# Altium PCB 探测器.PcbDoc (part 3 of 4) (continued)
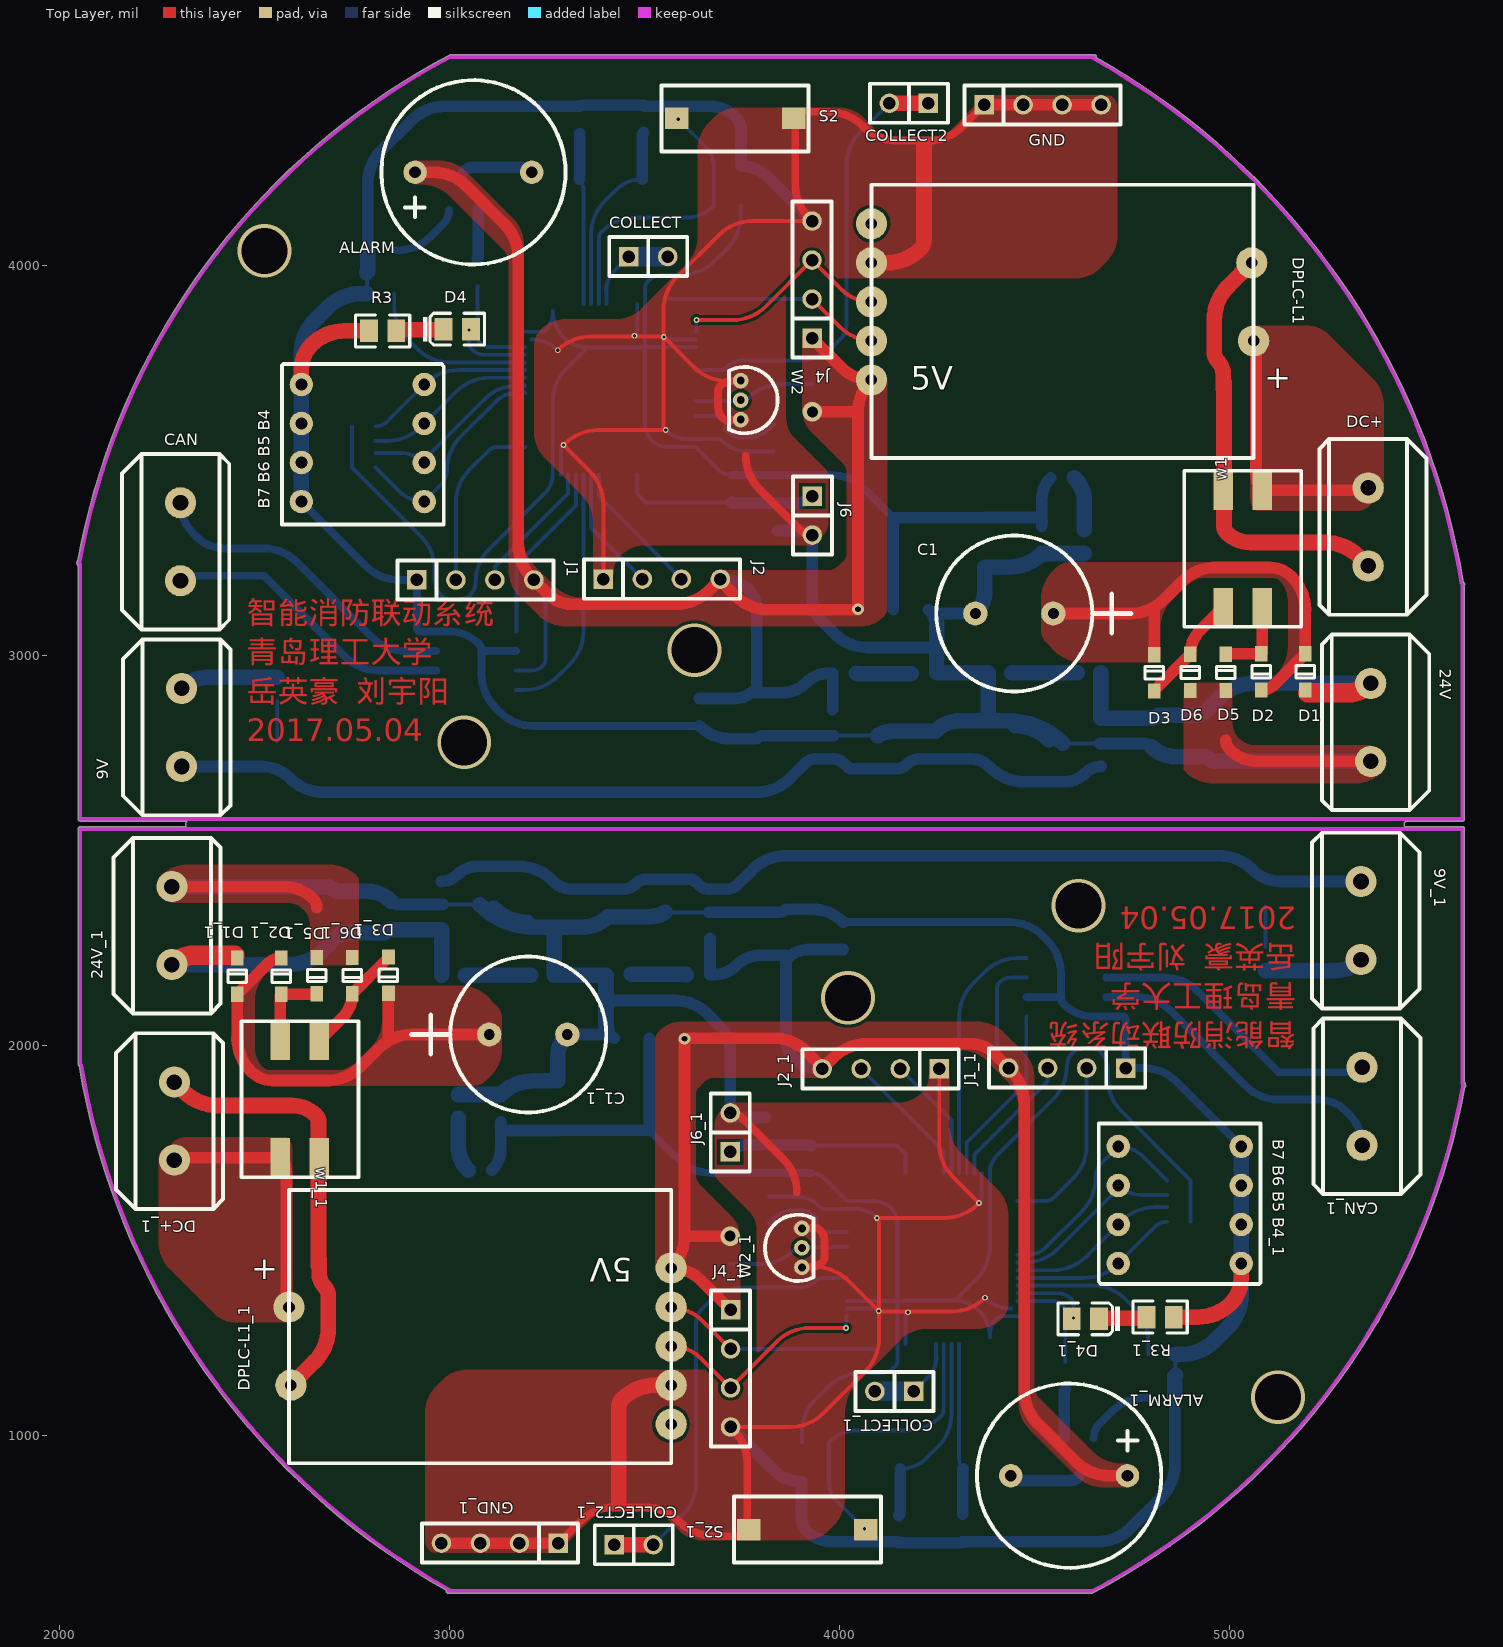
[diagram p0: Top Layer view]
## Nets (pads, with @x,y where several pads share a name; then routed paths per layer and width w, separated by ;. In a path a pad name is that pad's centre, name@x,y a point inside that pad or via, vN(x,y) a via of type N, cw(c..) or ccw(c..) an arc to the next point about the centre after c; other vN are vias at no path point) (continued)
  Bottom Layer w30: 2979.48,2421.06 ccw(c2979.48,2476.72) 3018.84,2437.36 ; 2983.42,2362 2871.3,2362 ; 3131.48,1804.96 3131.48,1793.41 ; 3302.05,2029 3399.12,2029 ; 3411.48,2116 3577.48,2116 ; 3512.48,2019.55 3512.48,1783.33 3278.41,1783.33 ; 3664.54,2342 3842.95,2342 ; 3720.48,1023 3832.52,910.96 ; 3808.85,1816.04 3748.72,1816.04 ; 3832.54,910.94 ccw(c3902.44,980.89) 3851.72,896 ; 3862.48,2226 3862.48,2017.28 ; 3862.48,2231.98 3796.78,2231.98 ; 3955.48,1941 3950.08,1941 ; 4009.48,2246.96 3920.08,2246.96 ; 4155.77,915.62 4155.77,805.7 ; 4315.77,799.04 4315.77,912.21 ; 4576.08,994.2 4576.08,1113.16 ; 4859.52,1098 4859.52,927.04 ; 5336.48,2421 5215.16,2421 5132.13,2421 ; 2871.3,2362 cw(c2871.3,2392.86) 2849.48,2371.04 ccw(c2871.3,2392.86) 2871.3,2362 ; 3018.84,2437.36 cw(c3073.5,2382.7) 3073.5,2460 ; 3018.84,2437.36 cw(c3073.5,2382.7) 3073.5,2460 ; 3073.5,2460 3177.54,2460 ; 3130.48,1791 ccw(c3149.93,1810.45) 3131.48,1790.05 ; 3130.48,1791 ccw(c3128.07,1793.41) 3131.48,1793.41 ; 3130.48,1791 ccw(c3149.93,1810.45) 3131.48,1790.05 ; 3130.48,1791 ccw(c3128.07,1793.41) 3131.48,1793.41 ; 3131.48,1735.76 cw(c3054.03,1735.76) 3108.8,1681 ccw(c3054.03,1735.76) 3131.48,1735.76 ; 3131.48,1735.76 3131.48,1790.05 ; 3131.48,1790.05 ccw(c3149.93,1810.45) 3149.93,1782.94 ; 3131.48,1790.05 ccw(c3149.93,1810.45) 3149.93,1782.94 ; 3149.93,1782.94 3277.48,1782.94 ; 3177.54,2460 cw(c3177.54,2339.29) 3262.89,2424.64 ; 3177.54,2460 cw(c3177.54,2339.29) 3262.89,2424.64 ; 3262.89,2424.64 3265.48,2422.06 ; 3265.48,2422.06 ccw(c3316.22,2472.79) 3316.22,2401.04 ; 3265.48,2422.06 ccw(c3316.22,2472.79) 3316.22,2401.04 ; 3277.48,1782.94 cw(c3278.41,1782.01) 3278.41,1783.33 ; 3277.48,1782.94 cw(c3278.41,1782.01) 3278.41,1783.33 ; 3316.22,2401.04 3405.48,2401.04 3442.36,2401.04 ; 3399.12,2029 cw(c3399.12,1996.74) 3407.49,2027.9 ; 3399.12,2029 cw(c3399.12,1996.74) 3407.49,2027.9 ; 3407.49,2027.9 cw(c3399.12,1996.74) 3421.93,2019.55 ccw(c3399.12,1996.74) 3407.49,2027.9 ; 3442.36,2401.04 ccw(c3442.36,2452.12) 3478.48,2416 ; 3442.36,2401.04 ccw(c3442.36,2452.12) 3478.48,2416 ; 3478.48,2416 cw(c3505.04,2389.44) 3505.04,2427 ; 3478.48,2416 cw(c3505.04,2389.44) 3505.04,2427 ; 3505.04,2427 3615.99,2427 ; 3577.48,2116 cw(c3577.48,1995.29) 3648.81,2092.67 ; 3577.48,2116 cw(c3577.48,1995.29) 3648.81,2092.67 ; 3615.99,2427 cw(c3615.99,2406.51) 3630.48,2421 ; 3615.99,2427 cw(c3615.99,2406.51) 3630.48,2421 ; 3630.48,2421 3637.66,2413.82 ; 3637.66,2413.82 ccw(c3668.48,2444.65) 3668.48,2401.06 ; 3637.66,2413.82 ccw(c3668.48,2444.65) 3668.48,2401.06 ; 3648.81,2092.67 cw(c3577.48,1995.29) 3662.84,2080.64 ; 3648.81,2092.67 cw(c3577.48,1995.29) 3662.84,2080.64 ; 3662.84,2080.64 3695.48,2048 ; 3667.8,2273.35 cw(c3670.13,2273.35) 3668.48,2275 ccw(c3670.13,2273.35) 3667.82,2273.68 ccw(c3670.13,2273.35) 3667.8,2273.35 ; 3667.8,2273.35 3667.8,2182 3676.12,2182 ; 3668.48,2401.06 3708.23,2401.06 ; 3676.12,2182 ccw(c3676.12,2267.36) 3736.48,2207 ; 3676.12,2182 ccw(c3676.12,2267.36) 3736.48,2207 ; 3695.48,2048 cw(c3636.65,1989.17) 3705.28,2036.2 ; 3695.48,2048 cw(c3636.65,1989.17) 3705.28,2036.2 ; 3705.28,2036.2 cw(c3636.65,1989.17) 3719.85,1989.17 3719.85,1828 ; 3708.23,2401.06 ccw(c3708.23,2445.25) 3718.82,2402.34 ; 3708.23,2401.06 ccw(c3708.23,2445.25) 3718.82,2402.34 ; 3718.82,2402.34 ccw(c3708.23,2445.25) 3739.48,2414 ; 3718.82,2402.34 ccw(c3708.23,2445.25) 3739.48,2414 ; 3719.85,1828 ccw(c3748.72,1856.87) 3748.72,1816.04 ; 3719.85,1828 ccw(c3748.72,1856.87) 3748.72,1816.04 ; 3736.48,2207 cw(c3796.78,2146.7) 3789.11,2231.63 ; 3739.48,2414 3777.12,2451.64 ; 3763.21,1745.96 ccw(c3763.21,1684.64) 3719.85,1728 cw(c3763.21,1684.64) 3763.21,1745.96 ; 3763.21,1745.96 3808.85,1745.96 3922.21,1745.96 ; 3777.12,2451.64 cw(c3862.48,2366.29) 3862.48,2487 ; 3777.12,2451.64 cw(c3862.48,2366.29) 3862.48,2487 ; 3789.11,2231.63 cw(c3796.78,2146.7) 3796.78,2231.98 ; 3789.11,2231.63 cw(c3796.78,2146.7) 3796.78,2231.98 ; 3842.95,2342 ccw(c3842.95,2369.61) 3862.48,2350.09 ; 3842.95,2342 ccw(c3842.95,2369.61) 3862.48,2350.09 ; 3851.72,896 ccw(c3902.44,980.89) 3902.44,882 ; 3851.72,896 ccw(c3902.44,980.89) 3902.44,882 ; 3862.48,2017.28 ccw(c3930.76,2017.28) 3882.48,1969 ; 3862.48,2017.28 ccw(c3930.76,2017.28) 3882.48,1969 ; 3862.48,2350.09 3929.7,2350.09 ; 3862.48,2487 4972.8,2487 ; 3882.48,1969 ccw(c3950.08,2036.6) 3939.48,1941.59 ; 3902.44,789.9 ccw(c3950.38,789.9) 3905,774.44 ; 3902.44,789.9 ccw(c3950.38,789.9) 3905,774.44 ; 3902.44,789.9 3902.44,882 ; 3905,774.44 ccw(c3950.38,789.9) 3916.48,756 ccw(c3981.66,821.18) 3940.97,738.47 ; 3920.08,2246.96 ccw(c3920.08,2175.4) 3869.48,2226 cw(c3920.08,2175.4) 3920.08,2246.96 ; 3922.21,1745.96 cw(c3922.21,1739.4) 3926.85,1744.04 ccw(c3922.21,1739.4) 3922.21,1745.96 ; 3929.7,2350.09 cw(c3929.7,2237.26) 4009.48,2317.04 ccw(c3929.7,2237.26) 3929.7,2350.09 ; 3939.48,1941.59 ccw(c3950.08,2036.6) 3950.08,1941 ; 3939.48,1941.59 ccw(c3950.08,2036.6) 3950.08,1941 ; 3940.97,738.47 ccw(c3981.66,821.18) 3981.66,729 ; 3940.97,738.47 ccw(c3981.66,821.18) 3981.66,729 ; 3981.66,729 4144.43,729 ; 4144.43,729 cw(c4144.43,718.62) 4151.77,725.96 ; 4144.43,729 cw(c4144.43,718.62) 4151.77,725.96 ; 4151.77,725.96 4308.53,725.96 ; 4155.77,805.7 cw(c4142.12,805.7) 4151.77,796.04 ccw(c4142.12,805.7) 4155.77,805.7 ; 4308.53,725.96 ccw(c4308.53,736.2) 4315.77,728.96 ; 4308.53,725.96 ccw(c4308.53,736.2) 4315.77,728.96 ; 4315.77,728.96 4661.44,728.96 ; 4315.77,912.21 cw(c4320.61,912.21) 4317.19,915.62 ccw(c4320.61,912.21) 4315.77,912.21 ; 4470.26,885 cw(c4470.26,929.38) 4438.87,898 ccw(c4470.26,929.38) 4470.26,885 ; 4470.26,885 4587.46,885 ; 4576.08,1113.16 cw(c4584.28,1113.16) 4578.48,1118.96 ccw(c4584.28,1113.16) 4576.08,1113.16 ; 4587.46,885 ccw(c4587.46,921.8) 4613.48,895.78 cw(c4587.46,921.8) 4587.46,885 ; 4661.44,728.96 ccw(c4661.44,849.67) 4746.8,764.32 ; 4661.44,728.96 ccw(c4661.44,849.67) 4746.8,764.32 ; 4746.8,764.32 4824.16,841.68 ; 4824.16,841.68 ccw(c4738.81,927.04) 4859.52,927.04 ; 4824.16,841.68 ccw(c4738.81,927.04) 4859.52,927.04 ; 4972.8,2487 cw(c4972.8,2366.29) 5058.15,2451.64 ; 4972.8,2487 cw(c4972.8,2366.29) 5058.15,2451.64 ; 5058.15,2451.64 ccw(c5132.13,2525.63) 5067.95,2443 ; 5058.15,2451.64 ccw(c5132.13,2525.63) 5067.95,2443 ; 5067.95,2443 ccw(c5132.13,2525.63) 5091.48,2429.22 ; 5091.48,2429.22 ccw(c5132.13,2525.63) 5132.13,2421 ; 5091.48,2429.22 ccw(c5132.13,2525.63) 5132.13,2421
  Bottom Layer w40: 2288.48,2208 2589.54,2208 ; 2288.48,2408 2680.64,2408 ; 2980.16,2181 2980.16,2295.35 ; 3022.48,1813.68 3022.48,1743.01 ; 3040.79,2181 3208.16,2181 ; 3077.91,2362 ccw(c3218.07,2502.16) 3218.07,2303.94 3265.48,2303.94 ; 3113.84,2351.96 ccw(c3199.2,2437.31) 3199.2,2316.6 ; 3466.8,2183 3604.75,2183 cw(c3604.75,2179.59) 3607.17,2182 ; 4859.52,1098 4859.52,1150.17 ; 4861.52,1208.99 4876.47,1208.99 ; 5029.48,1742 5029.48,1642 5029.48,1542 5029.48,1442 5029.48,1362 ; 5091.48,2192.69 5270.96,2192.69 ; 5346.48,2219 5334.48,2219 ; 2589.54,2208 ccw(c2589.54,2328.71) 2674.89,2243.36 ; 2589.54,2208 ccw(c2589.54,2328.71) 2674.89,2243.36 ; 2674.89,2243.36 2709.48,2277.94 ; 2680.64,2408 cw(c2680.64,2367.21) 2709.48,2396.05 ; 2680.64,2408 cw(c2680.64,2367.21) 2709.48,2396.05 ; 2709.48,2277.94 cw(c2738.59,2248.84) 2738.59,2290 ; 2709.48,2277.94 cw(c2738.59,2248.84) 2738.59,2290 ; 2709.48,2396.05 2789.09,2396.05 ; 2738.59,2290 2832.48,2290 ; 2789.09,2396.05 cw(c2789.09,2310.65) 2849.48,2371.04 ccw(c2789.09,2310.65) 2789.09,2396.05 ; 2832.48,2290 cw(c2849.38,2273.1) 2849.38,2297 ; 2832.48,2290 cw(c2849.38,2273.1) 2849.38,2297 ; 2849.38,2297 2979.48,2297 ; 2979.48,2297 cw(c2977.83,2295.35) 2980.16,2295.35 ; 2979.48,2297 cw(c2977.83,2295.35) 2980.16,2295.35 ; 3022.48,1743.01 ccw(c3110.18,1743.01) 3048.17,1681 cw(c3110.18,1743.01) 3022.48,1743.01 ; 3024.23,1875.04 ccw(c3024.23,1872.56) 3022.48,1874.31 cw(c3024.23,1872.56) 3024.23,1875.04 ; 3024.23,1875.04 3131.48,1875.04 ; 3131.48,1875.04 cw(c3215.88,1790.64) 3215.88,1910 ; 3131.48,1875.04 cw(c3215.88,1790.64) 3215.88,1910 ; 3215.88,1910 3277.48,1910 3277.48,1969.68 ; 3265.48,2303.94 cw(c3257.48,2295.94) 3268.79,2295.94 ; 3265.48,2303.94 cw(c3257.48,2295.94) 3268.79,2295.94 ; 3265.48,2303.94 3340.26,2303.94 ; 3268.79,2295.94 3268.79,2181 3401.34,2181 3401.34,2054.8 ; 3277.48,1969.68 cw(c3361.37,1969.68) 3302.02,2028.97 ccw(c3361.37,1969.68) 3277.48,1969.68 ; 3340.26,2303.94 ccw(c3340.26,2396.18) 3405.48,2330.96 ; 3340.26,2303.94 ccw(c3340.26,2396.18) 3405.48,2330.96 ; 3401.34,2054.8 ccw(c3463.28,2054.8) 3407.49,2027.9 cw(c3463.28,2054.8) 3401.34,2054.8 ; 3405.48,2330.96 3513.27,2330.96 ; 3513.27,2330.96 ccw(c3513.27,2406.21) 3552.51,2342 cw(c3513.27,2406.21) 3513.27,2330.96 ; 4859.52,1150.17 cw(c4866.35,1150.17) 4861.51,1154.99 ccw(c4866.35,1150.17) 4859.54,1150.64 ccw(c4866.35,1150.17) 4859.52,1150.17 ; 4876.47,1208.99 ccw(c4876.47,1329.7) 4961.83,1244.35 ; 4876.47,1208.99 ccw(c4876.47,1329.7) 4961.83,1244.35 ; 4961.83,1244.35 4994.12,1276.64 ; 4994.12,1276.64 ccw(c4908.77,1362) 5029.48,1362 ; 4994.12,1276.64 ccw(c4908.77,1362) 5029.48,1362 ; 5270.96,2192.69 ccw(c5270.96,2282.52) 5334.48,2219 ; 5270.96,2192.69 ccw(c5270.96,2282.52) 5334.48,2219
  Bottom Layer w50: 4090.48,1114 4190.48,1114
  other v2: 5124.03,1099.31 4021.67,2122.93 4612.22,2359.15 3037.78,2777.85 3628.33,3014.07 2525.97,4037.69

## Polygon pours and split planes (outlines as drawn)
no net on Bottom Layer "AutoNaming" (solid, remove dead copper, pour order 84): 3665.48,2296 3740.68,2296 cw(c3740.68,2248.2) 3774.48,2282 ccw(c3808.28,2315.8) 3808.28,2268 3868.48,2268 4012.07,2268 cw(c4012.07,2264.59) 4014.48,2267 cw(c3999.99,2252.51) 4020.48,2252.51 4020.48,2246 cw(c3993.92,2246) 4012.7,2227.22 4005.48,2220 ccw(c4005.48,2121.02) 3935.49,2191.01 3924.48,2180 ccw(c3963.11,2141.37) 3908.48,2141.37 3908.48,2071 3908.48,2043.53 ccw(c3987.01,2043.53) 3931.48,1988 3945.41,1974.07 ccw(c3962.48,1991.14) 3962.48,1967 3962.48,1957.9 cw(c3938.58,1957.9) 3955.48,1941 cw(c3950.65,1936.17) 3957.48,1936.17 3957.48,1916 3881.69,1916 cw(c3881.69,1967.21) 3845.48,1931 cw(c3888.94,1974.46) 3827.48,1974.46 3827.48,2082 ccw(c3788.85,2082) 3816.17,2109.31 3790.48,2135 ccw(c3732.54,2077.06) 3732.54,2159 3669.48,2159 3669.48,2165.17 ccw(c3662.65,2165.17) 3667.48,2170 3667.48,2214 3667.48,2249 3667.8,2249.32
no net on Bottom Layer "AutoNaming" (solid, remove dead copper, pour order 82): 249 vertices, not listed, extent 2245.48,677 5400.48,2447
no net on Bottom Layer "AutoNaming" (solid, remove dead copper, pour order 80): 3144.48,2445 3164.1,2445 cw(c3164.1,2400.62) 3195.48,2432 3196.22,2431.26 cw(c3156.95,2392) 3212.48,2392 3233.07,2392 ccw(c3233.07,2395.41) 3235.48,2393 cw(c3237.89,2390.59) 3237.89,2394 3309.48,2394 3367.07,2394 ccw(c3367.07,2397.41) 3369.48,2395 cw(c3383.97,2380.51) 3383.97,2401 3453.48,2401 3460.61,2401 ccw(c3460.61,2465.87) 3506.48,2420 cw(c3513.72,2412.76) 3513.72,2423 3586.48,2423 cw(c3586.48,2328.85) 3653.06,2395.42 3653.48,2395 cw(c3668.1,2380.38) 3668.1,2401.06 3708.23,2401.06 3716.09,2401.06 ccw(c3716.09,2479.39) 3771.48,2424 3780.19,2432.71 cw(c3850.9,2362) 3850.9,2462 4028.48,2462 4940.06,2462 cw(c4940.06,2362) 5010.77,2432.71 5013.48,2430 5015.19,2428.29 ccw(c5085.9,2499) 5085.9,2399 5093.48,2399 5290.74,2399 cw(c5290.74,2372.6) 5309.41,2391.27 5328.49,2410.35 cw(c5332.48,2406.36) 5332.48,2412 5345.1,2412 ccw(c5373.14,2383.96) 5333.48,2383.96 5333.48,2382 5380.41,2382 ccw(c5380.41,2399.07) 5392.48,2387 ccw(c5375.58,2403.9) 5399.48,2403.9 5399.48,2457 5399.48,2487.93 ccw(c5382.41,2487.93) 5394.48,2500 ccw(c5324.47,2429.99) 5324.47,2529 2961.48,2529 ccw(c2961.48,2502.44) 2942.7,2521.22 2941.48,2520 ccw(c2968.04,2493.44) 2930.48,2493.44 2930.48,2445 2930.48,2419 ccw(c2959.45,2447.97) 2959.45,2407 2968.48,2407 cw(c2975.72,2407) 2970.6,2412.12 2971.48,2413
no net on Bottom Layer "AutoNaming" (solid, remove dead copper, pour order 78): 3088.48,1679 ccw(c3079.28,1688.2) 3092.29,1688.2 3092.29,1700.31 ccw(c3067.69,1724.91) 3102.48,1724.91 3102.48,1789 3102.48,1790.2 cw(c3150.28,1790.2) 3116.48,1824 3116.82,1824.34 3119.65,1824.34 ccw(c3119.65,1836.83) 3128.48,1828 3159.97,1828 ccw(c3186.07,1853.45) 3186.07,1817 3247.48,1817 3427.04,1817 ccw(c3427.04,1840.35) 3443.55,1823.84 ccw(c3496.28,1876.56) 3496.28,1802 3499.48,1802 3500.24,1802 cw(c3500.24,1791.76) 3507.48,1799 cw(c3572.66,1733.82) 3572.66,1826 3581.48,1826 3581.48,1751.38 ccw(c3625.86,1751.38) 3594.48,1720 3597.19,1717.29 ccw(c3667.9,1788) 3667.9,1688 3871.48,1688 3885.03,1688 ccw(c3885.03,1705.68) 3897.53,1693.18 cw(c3901.93,1688.78) 3901.93,1695 3957.48,1695 cw(c3957.48,1685.34) 3964.31,1692.17 4020.48,1636 ccw(c4080.84,1696.36) 4080.84,1611 4112.48,1611 cw(c4112.48,1557.89) 4150.04,1595.44 4155.48,1590 4157.19,1588.29 ccw(c4227.9,1659) 4227.9,1559 4335.48,1559 ccw(c4335.48,1580.73) 4350.84,1565.36 4380.48,1595 cw(c4365.99,1580.51) 4386.48,1580.51 4386.48,1538 4386.48,1504.24 ccw(c4396.72,1504.24) 4389.48,1497 4389.48,1451.94 cw(c4307.54,1451.94) 4365.48,1394 4362.45,1390.97 ccw(c4403.42,1350) 4345.48,1350 ccw(c4357.55,1350) 4349.02,1341.46 4356.48,1334 ccw(c4410.33,1387.85) 4410.33,1311.69 4423.96,1311.69 ccw(c4423.96,1304.82) 4419.1,1309.68 4416.03,1306.61 4397.08,1287.66 cw(c4395.48,1289.27) 4395.48,1287 4395.48,1286.96 ccw(c4392.38,1283.86) 4377.48,1283.86 4377.48,1295 ccw(c4372.65,1295) 4376.07,1298.41 4334.48,1340 ccw(c4329.65,1335.17) 4329.65,1342 4306.48,1342 4169.55,1342 cw(c4169.55,1359.07) 4157.48,1347 4148.9,1347 4148.9,1389.18 cw(c4154.3,1389.18) 4150.48,1393 cw(c4154.3,1396.82) 4148.9,1396.82 4148.9,1541.54 4148.9,1546.19 ccw(c4099.67,1546.19) 4134.48,1581 ccw(c4084.05,1530.57) 4084.05,1601.89 4018.98,1601.89 4001.7,1601.89 ccw(c4001.7,1581.78) 3987.48,1596 3956.42,1627.06 ccw(c3898.03,1568.67) 3898.03,1651.25 3101.13,1651.25 cw(c3101.13,1660.65) 3094.48,1654 cw(c3104.14,1663.66) 3090.48,1663.66 3090.48,1673 3093.82,1673 ccw(c3093.82,1686.66) 3103.48,1677
no net on Bottom Layer "Bottom Overlay-No Net" (solid, pour order 76): 2247.48,2204 2247.48,2249.03 cw(c2288.45,2249.03) 2259.48,2278 2264.19,2282.71 cw(c2334.9,2212) 2334.9,2312 2697.48,2312 2800.92,2312 ccw(c2800.92,2349.56) 2827.48,2323 ccw(c2832.31,2327.83) 2832.31,2321 2865.48,2321 2889.27,2321 cw(c2889.27,2269.79) 2925.48,2306 2958.48,2306 cw(c2958.48,2301.17) 2961.89,2304.59 2984.48,2282 cw(c2948.27,2245.79) 2999.48,2245.79 2999.48,2174 2999.48,2105.21 cw(c2948.27,2105.21) 2984.48,2069 2957.77,2042.29 cw(c2887.06,2113) 2887.06,2013 2775.48,2013 2307.35,2013 cw(c2307.35,2077.87) 2261.48,2032 cw(c2295.28,2065.8) 2247.48,2065.8 2247.48,2205
24V on Bottom Layer "Bottom Overlay-No Net" (solid, pour order 54): 5402.52,2933 5402.52,2887.97 cw(c5361.55,2887.97) 5390.52,2859 5385.81,2854.29 cw(c5315.1,2925) 5315.1,2825 4952.52,2825 4849.08,2825 ccw(c4849.08,2787.44) 4822.52,2814 ccw(c4817.69,2809.17) 4817.69,2816 4784.52,2816 4760.73,2816 cw(c4760.73,2867.21) 4724.52,2831 4691.52,2831 cw(c4691.52,2835.83) 4688.11,2832.41 4665.52,2855 cw(c4701.73,2891.21) 4650.52,2891.21 4650.52,2963 4650.52,3031.79 cw(c4701.73,3031.79) 4665.52,3068 4692.23,3094.71 cw(c4762.94,3024) 4762.94,3124 4874.52,3124 5342.65,3124 cw(c5342.65,3059.13) 5388.52,3105 cw(c5354.72,3071.2) 5402.52,3071.2 5402.52,2932
3.3V on Bottom Layer "AutoNaming" (solid, remove dead copper, pour order 70): 4561.52,3458 ccw(c4570.72,3448.8) 4557.71,3448.8 4557.71,3436.69 ccw(c4582.31,3412.09) 4547.52,3412.09 4547.52,3348 4547.52,3346.8 cw(c4499.72,3346.8) 4533.52,3313 4533.18,3312.66 4530.35,3312.66 ccw(c4530.35,3300.17) 4521.52,3309 4490.03,3309 ccw(c4463.93,3283.55) 4463.93,3320 4402.52,3320 4222.96,3320 ccw(c4222.96,3296.65) 4206.45,3313.16 ccw(c4153.72,3260.44) 4153.72,3335 4150.52,3335 4149.76,3335 cw(c4149.76,3345.24) 4142.52,3338 cw(c4077.34,3403.18) 4077.34,3311 4068.52,3311 4068.52,3385.62 ccw(c4024.14,3385.62) 4055.52,3417 4052.81,3419.71 ccw(c3982.1,3349) 3982.1,3449 3778.52,3449 3764.97,3449 ccw(c3764.97,3431.32) 3752.47,3443.82 cw(c3748.07,3448.22) 3748.07,3442 3692.52,3442 cw(c3692.52,3451.66) 3685.69,3444.83 3629.52,3501 ccw(c3569.16,3440.64) 3569.16,3526 3537.52,3526 cw(c3537.52,3579.11) 3499.96,3541.56 3494.52,3547 3492.81,3548.71 ccw(c3422.1,3478) 3422.1,3578 3314.52,3578 ccw(c3314.52,3556.27) 3299.16,3571.64 3269.52,3542 cw(c3284.01,3556.49) 3263.52,3556.49 3263.52,3599 3263.52,3632.76 ccw(c3253.28,3632.76) 3260.52,3640 3260.52,3685.06 cw(c3342.46,3685.06) 3284.52,3743 3287.55,3746.03 ccw(c3246.58,3787) 3304.52,3787 ccw(c3292.45,3787) 3300.98,3795.54 3293.52,3803 ccw(c3239.67,3749.15) 3239.67,3825.31 3226.04,3825.31 ccw(c3226.04,3832.18) 3230.9,3827.32 3233.97,3830.39 3252.92,3849.34 cw(c3254.52,3847.73) 3254.52,3850 3254.52,3850.04 ccw(c3257.62,3853.14) 3272.52,3853.14 3272.52,3842 ccw(c3277.35,3842) 3273.93,3838.59 3315.52,3797 ccw(c3320.35,3801.83) 3320.35,3795 3343.52,3795 3480.45,3795 cw(c3480.45,3777.93) 3492.52,3790 3501.1,3790 3501.1,3747.82 cw(c3495.7,3747.82) 3499.52,3744 cw(c3495.7,3740.18) 3501.1,3740.18 3501.1,3595.47 3501.1,3590.81 ccw(c3550.33,3590.81) 3515.52,3556 ccw(c3565.95,3606.43) 3565.95,3535.11 3631.02,3535.11 3648.3,3535.11 ccw(c3648.3,3555.22) 3662.52,3541 3693.58,3509.94 ccw(c3751.97,3568.33) 3751.97,3485.75 4548.87,3485.75 cw(c4548.87,3476.35) 4555.52,3483 cw(c4545.86,3473.34) 4559.52,3473.34 4559.52,3464 4556.18,3464 ccw(c4556.18,3450.34) 4546.52,3460
9V on Bottom Layer "AutoNaming" (solid, remove dead copper, pour order 74): 4505.52,2692 4485.9,2692 cw(c4485.9,2736.38) 4454.52,2705 4453.78,2705.74 cw(c4493.05,2745) 4437.52,2745 4416.93,2745 ccw(c4416.93,2741.59) 4414.52,2744 cw(c4412.11,2746.41) 4412.11,2743 4340.52,2743 4282.93,2743 ccw(c4282.93,2739.59) 4280.52,2742 cw(c4266.03,2756.49) 4266.03,2736 4196.52,2736 4189.39,2736 ccw(c4189.39,2671.13) 4143.52,2717 cw(c4136.28,2724.24) 4136.28,2714 4063.52,2714 cw(c4063.52,2808.15) 3996.94,2741.58 3996.52,2742 cw(c3981.9,2756.62) 3981.9,2735.94 3941.77,2735.94 3933.91,2735.94 ccw(c3933.91,2657.61) 3878.52,2713 3869.81,2704.29 cw(c3799.1,2775) 3799.1,2675 3621.52,2675 2709.94,2675 cw(c2709.94,2775) 2639.23,2704.29 2636.52,2707 2634.81,2708.71 ccw(c2564.1,2638) 2564.1,2738 2556.52,2738 2359.26,2738 cw(c2359.26,2764.4) 2340.59,2745.73 2321.51,2726.65 cw(c2317.52,2730.64) 2317.52,2725 2304.9,2725 ccw(c2276.86,2753.04) 2316.52,2753.04 2316.52,2755 2269.59,2755 ccw(c2269.59,2737.93) 2257.52,2750 ccw(c2274.42,2733.1) 2250.52,2733.1 2250.52,2680 2250.52,2649.07 ccw(c2267.59,2649.07) 2255.52,2637 ccw(c2325.53,2707.01) 2325.53,2608 4688.52,2608 ccw(c4688.52,2634.56) 4707.3,2615.78 4708.52,2617 ccw(c4681.96,2643.56) 4719.52,2643.56 4719.52,2692 4719.52,2718 ccw(c4690.55,2689.03) 4690.55,2730 4681.52,2730 cw(c4674.28,2730) 4679.4,2724.88 4678.52,2724
GND on Bottom Layer "AutoNaming" (solid, remove dead copper, pour order 68): 249 vertices, not listed, extent 2249.52,2690 5404.52,4460
5V on Bottom Layer "AutoNaming" (solid, remove dead copper, pour order 72): 3984.52,2841 3909.32,2841 cw(c3909.32,2888.8) 3875.52,2855 ccw(c3841.72,2821.2) 3841.72,2869 3781.52,2869 3637.93,2869 cw(c3637.93,2872.41) 3635.52,2870 cw(c3650.01,2884.49) 3629.52,2884.49 3629.52,2891 cw(c3656.08,2891) 3637.3,2909.78 3644.52,2917 ccw(c3644.52,3015.98) 3714.51,2945.99 3725.52,2957 ccw(c3686.89,2995.63) 3741.52,2995.63 3741.52,3066 3741.52,3093.47 ccw(c3662.99,3093.47) 3718.52,3149 3704.59,3162.93 ccw(c3687.52,3145.86) 3687.52,3170 3687.52,3179.1 cw(c3711.42,3179.1) 3694.52,3196 cw(c3699.35,3200.83) 3692.52,3200.83 3692.52,3221 3768.31,3221 cw(c3768.31,3169.79) 3804.52,3206 cw(c3761.06,3162.54) 3822.52,3162.54 3822.52,3055 ccw(c3861.15,3055) 3833.83,3027.69 3859.52,3002 ccw(c3917.46,3059.94) 3917.46,2978 3980.52,2978 3980.52,2971.83 ccw(c3987.35,2971.83) 3982.52,2967 3982.52,2923 3982.52,2888 3982.2,2887.68
no net on Top Layer "Bottom Overlay-No Net" (solid, pour order 96): 3566.48,1169 3782.04,1169 ccw(c3782.04,1176.7) 3787.48,1171.26 cw(c3736.78,1120.56) 3808.48,1120.56 3808.48,1111 3808.48,1106.42 cw(c3708.48,1106.42) 3779.19,1035.71 3766.48,1023 cw(c3710.95,1078.53) 3710.95,1000 3690.48,1000 3619.31,1000 ccw(c3619.31,993.17) 3614.48,998 ccw(c3549.3,932.82) 3549.3,1025 3544.48,1025 cw(c3544.48,1053.97) 3523.99,1033.49 3467.48,1090 cw(c3477.14,1099.66) 3463.48,1099.66 3463.48,1134 3463.48,1138.59 cw(c3466.89,1138.59) 3464.48,1141
no net on Top Layer "Bottom Overlay-No Net" (solid, pour order 94): 2296.48,1756 cw(c2320.62,1731.86) 2320.62,1766 2582.48,1766 cw(c2546.27,1729.79) 2597.48,1729.79 2597.48,1616 2597.48,1403.49 cw(c2576.99,1403.49) 2591.48,1389 ccw(c2603.55,1376.93) 2586.48,1376.93 2586.48,1291 2452.01,1291 cw(c2452.01,1369.53) 2396.48,1314 2283.77,1426.71 cw(c2354.48,1497.42) 2254.48,1497.42 2254.48,1710 cw(c2285.86,1710) 2263.67,1732.19 2268.48,1737 cw(c2280.55,1724.93) 2280.55,1742 2281.48,1742
no net on Top Layer "Bottom Overlay-No Net" (solid, pour order 92): 2575.48,2244 ccw(c2575.48,2207.79) 2549.87,2233.39 2485.48,2169 2461.44,2144.96 ccw(c2474.46,2131.95) 2456.05,2131.95 2456.05,1996.81 ccw(c2546.29,1996.81) 2482.48,1933 ccw(c2535.59,1986.11) 2535.59,1911 2555.48,1911 2697.17,1911 ccw(c2697.17,1938.31) 2716.48,1919 cw(c2663.37,1972.11) 2663.37,1897 2643.48,1897 3058.27,1897 ccw(c3058.27,1948.21) 3094.48,1912 3104.19,1921.71 ccw(c3033.48,1992.42) 3133.48,1992.42 3133.48,2028 3133.48,2071.62 ccw(c3089.1,2071.62) 3120.48,2103 3098.77,2124.71 ccw(c3028.06,2054) 3028.06,2154 2840.48,2154 cw(c2833.24,2154) 2838.36,2148.88 2833.48,2144 ccw(c2845.55,2131.93) 2828.48,2131.93 2828.48,2076 2828.48,2066.42 cw(c2728.48,2066.42) 2799.19,1995.71 2795.48,1992 2763.81,1960.33 cw(c2707.48,2016.67) 2707.48,1937 2540.79,1937 cw(c2540.79,1964.31) 2521.48,1945 cw(c2572.18,1995.7) 2500.48,1995.7 2500.48,2079 2500.48,2114.58 cw(c2600.48,2114.58) 2529.77,2185.29 2535.48,2191 2545.78,2201.3 cw(c2549.1,2197.97) 2549.1,2202.67 cw(c2590.01,2202.67) 2561.08,2231.6 2564.48,2235
no net on Top Layer "Bottom Overlay-No Net" (solid, pour order 90): 3744.48,1512 cw(c3742.07,1509.59) 3745.48,1509.59 3745.48,1320 cw(c3743.07,1320) 3744.77,1318.29 3724.48,1298 cw(c3734.14,1307.66) 3720.48,1307.66 3720.48,1323 ccw(c3715.65,1323) 3719.07,1326.41 3697.48,1348 3686.02,1359.46 ccw(c3677.48,1350.93) 3677.48,1363 cw(c3677.48,1370.24) 3672.36,1365.12 3660.48,1377 3638.43,1399.05 ccw(c3626.48,1387.1) 3626.48,1404 cw(c3626.48,1437.8) 3602.58,1413.9 3601.48,1415 ccw(c3577.34,1390.86) 3577.34,1425 3529.48,1425 cw(c3534.31,1429.83) 3527.48,1429.83 3527.48,1996 3527.48,2012.86 cw(c3561.62,2012.86) 3537.48,2037 cw(c3597.84,1976.64) 3597.84,2062 4152.48,2062 4352.06,2062 cw(c4352.06,1962) 4422.77,2032.71 4468.48,1987 4469.19,1986.29 cw(c4398.48,1915.58) 4498.48,1915.58 4498.48,1128 ccw(c4541.94,1128) 4511.21,1097.27 4541.48,1067 4650.19,958.29 ccw(c4720.9,1029) 4720.9,929 4737.48,929 4737.48,887.41 cw(c4734.07,887.41) 4736.48,885 cw(c4729.24,877.76) 4739.48,877.76 4739.48,869 4675.9,869 cw(c4675.9,969) 4605.19,898.29 4592.48,911 4488.77,1014.71 cw(c4559.48,1085.42) 4459.48,1085.42 4459.48,1157 4459.48,1733 4459.48,1838.58 ccw(c4359.48,1838.58) 4430.19,1909.29 4394.48,1945 4379.77,1959.71 ccw(c4309.06,1889) 4309.06,1989 4253.48,1989 4046.66,1989 ccw(c4046.66,1896.82) 3981.48,1962 3970.62,1951.14 ccw(c4004.76,1917) 3956.48,1917 ccw(c3954.07,1914.59) 3954.07,1918 3679.48,1918 ccw(c3679.48,1879.37) 3652.17,1906.69 3638.48,1893 ccw(c3655.38,1876.1) 3631.48,1876.1 3631.48,1670 ccw(c3670.11,1670) 3642.79,1642.69 3663.48,1622 3722.97,1562.51 cw(c3673.47,1513) 3743.48,1513
no net on Top Layer "Bottom Overlay-No Net" (solid, pour order 88): 2977.48,701 3296.48,701 ccw(c3283.77,713.71) 3301.74,713.71 3301.74,727.32 ccw(c3301.74,729.88) 3303.55,728.07 3365.48,790 cw(c3404.11,751.37) 3404.11,806 3507.48,806 cw(c3507.48,726.33) 3563.81,782.67 3588.48,758 ccw(c3648.84,818.36) 3648.84,733 3765.48,733 3913.95,733 ccw(c3913.95,811.53) 3969.48,756 3984.19,770.71 ccw(c3913.48,841.42) 4013.48,841.42 4013.48,1012 4013.48,1062.58 cw(c4113.48,1062.58) 4042.77,1133.29 4065.48,1156 4155.19,1245.71 cw(c4225.9,1175) 4225.9,1275 4267.48,1275 4351.3,1275 ccw(c4351.3,1367.18) 4416.48,1302 ccw(c4377.85,1340.63) 4432.48,1340.63 4432.48,1523 4432.48,1562.58 ccw(c4332.48,1562.58) 4403.19,1633.29 4361.48,1675 4310.77,1725.71 cw(c4381.48,1796.42) 4281.48,1796.42 4281.48,1934 4273.26,1942.22 cw(c4292.04,1961) 4265.48,1961 ccw(c4265.48,1956.17) 4262.07,1959.59 4230.48,1928 ccw(c4235.31,1923.17) 4228.48,1923.17 4228.48,1917 cw(c4180.2,1917) 4214.34,1882.86 4211.48,1880 cw(c4148.71,1942.77) 4148.71,1854 3719.48,1854 ccw(c3719.48,1849.17) 3716.07,1852.59 3693.48,1830 ccw(c3727.28,1796.2) 3679.48,1796.2 3679.48,1677 ccw(c3708.45,1677) 3687.97,1656.51 3703.48,1641 3768.19,1576.29 cw(c3721.62,1529.72) 3787.48,1529.72 3787.48,1334 3787.48,1109.41 cw(c3784.07,1109.41) 3786.48,1107 3731.84,1052.36 cw(c3716.48,1067.73) 3716.48,1046 cw(c3716.48,1142.57) 3648.2,1074.28 3629.48,1093 3619.91,1102.57 cw(c3652.35,1135) 3606.48,1135 3580.55,1135 ccw(c3580.55,1117.93) 3568.48,1130 cw(c3573.31,1134.83) 3566.48,1134.83 3566.48,1169 3044.25,1169 ccw(c3044.25,1080.23) 2981.48,1143 2967.77,1129.29 ccw(c3038.48,1058.58) 2938.48,1058.58 2938.48,729 ccw(c2967.45,729) 2946.97,708.51 2950.48,705 ccw(c2957.72,712.24) 2957.72,702 2976.48,702
no net on Top Layer "Bottom Overlay-No Net" (solid, pour order 86): 2288.48,2367 2583.02,2367 cw(c2583.02,2305.54) 2626.48,2349 cw(c2585.44,2307.96) 2643.48,2307.96 2643.48,2219 cw(c2643.48,2216.59) 2645.19,2218.29 2656.48,2207 2754.48,2207 cw(c2756.89,2207) 2755.19,2208.71 2766.48,2220 ccw(c2764.07,2222.41) 2767.48,2222.41 2767.48,2430 2762.77,2434.71 ccw(c2692.06,2364) 2692.06,2464 2537.48,2464 2327.08,2464 ccw(c2327.08,2368.4) 2259.48,2436 2265.7,2429.78 cw(c2246.92,2411) 2273.48,2411
GND on Top Layer "Bottom Overlay-No Net" (solid, pour order 46): 5361.52,2770 5066.98,2770 cw(c5066.98,2831.46) 5023.52,2788 cw(c5064.56,2829.04) 5006.52,2829.04 5006.52,2918 cw(c5006.52,2920.41) 5004.81,2918.71 4993.52,2930 4895.52,2930 cw(c4893.11,2930) 4894.81,2928.29 4883.52,2917 ccw(c4885.93,2914.59) 4882.52,2914.59 4882.52,2707 4887.23,2702.29 ccw(c4957.94,2773) 4957.94,2673 5112.52,2673 5322.92,2673 ccw(c5322.92,2768.6) 5390.52,2701 5384.3,2707.22 cw(c5403.08,2726) 5376.52,2726